# Altium PCB PCB1.PcbDoc (part 1 of 2)
Units mm, origin at the board's own origin, x right, y up, seen from the top; angles counter-clockwise.
Board outline 115 x 192.02 mm, 4 copper layers (Top Layer, Signal Top, Signal Bottom, Bottom Layer), stack 0.356 mm thick; 201 components, 226 nets, 802 pads, 2 vias.
Unrouted connection lines stored in the file: 532.
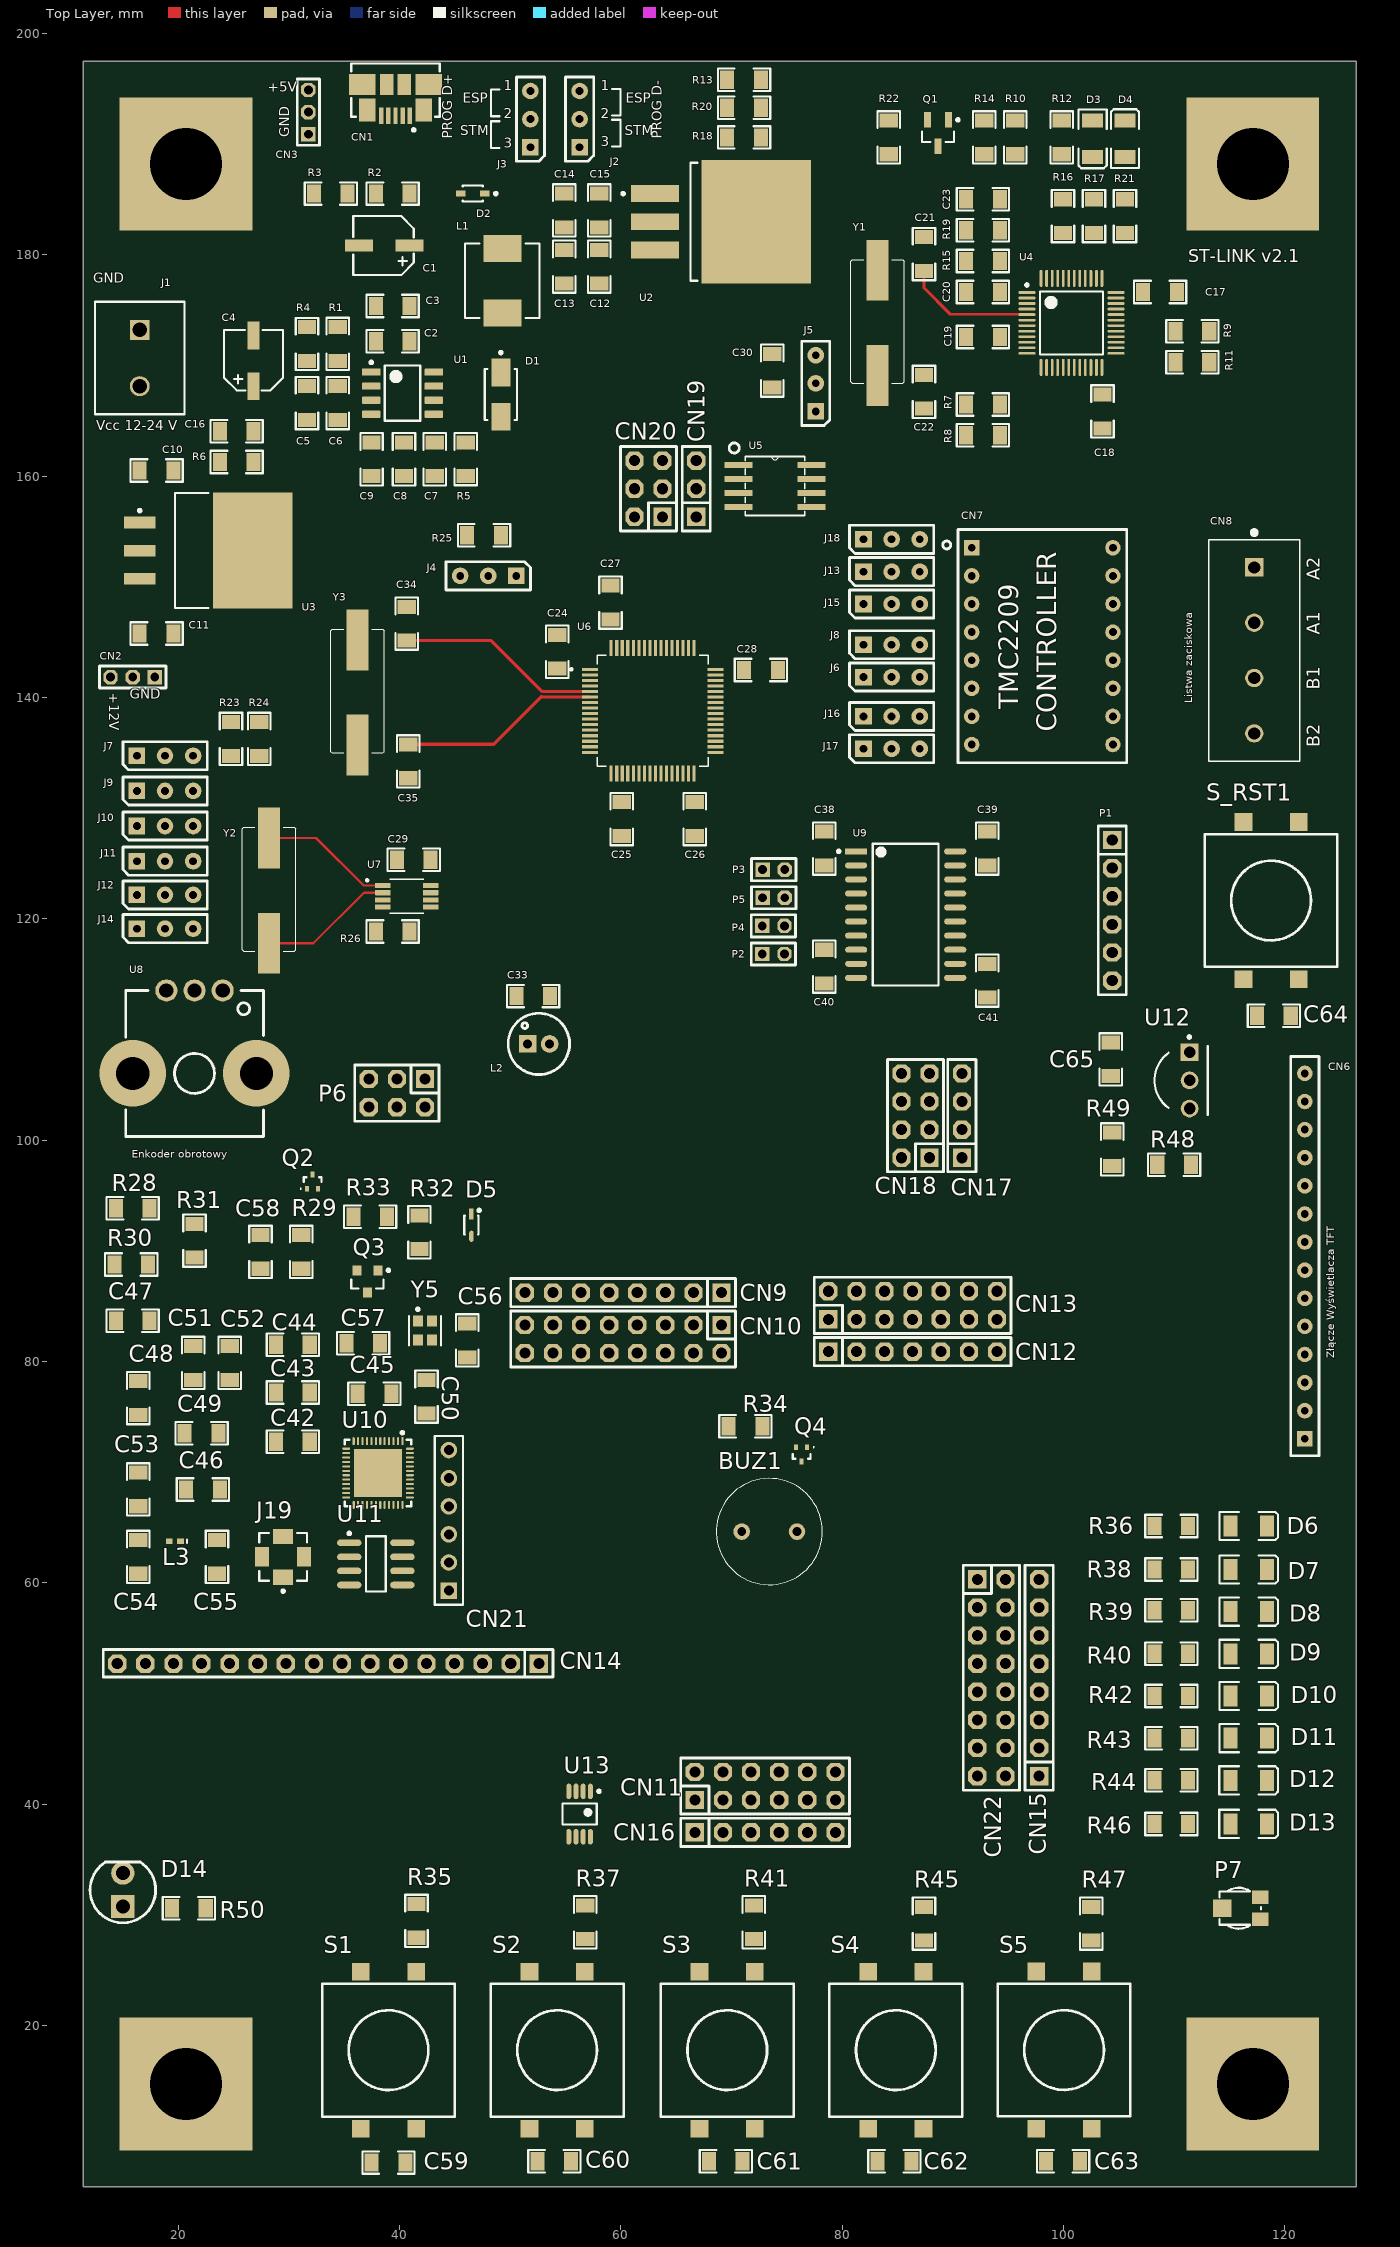
[diagram p0: Top Layer view]
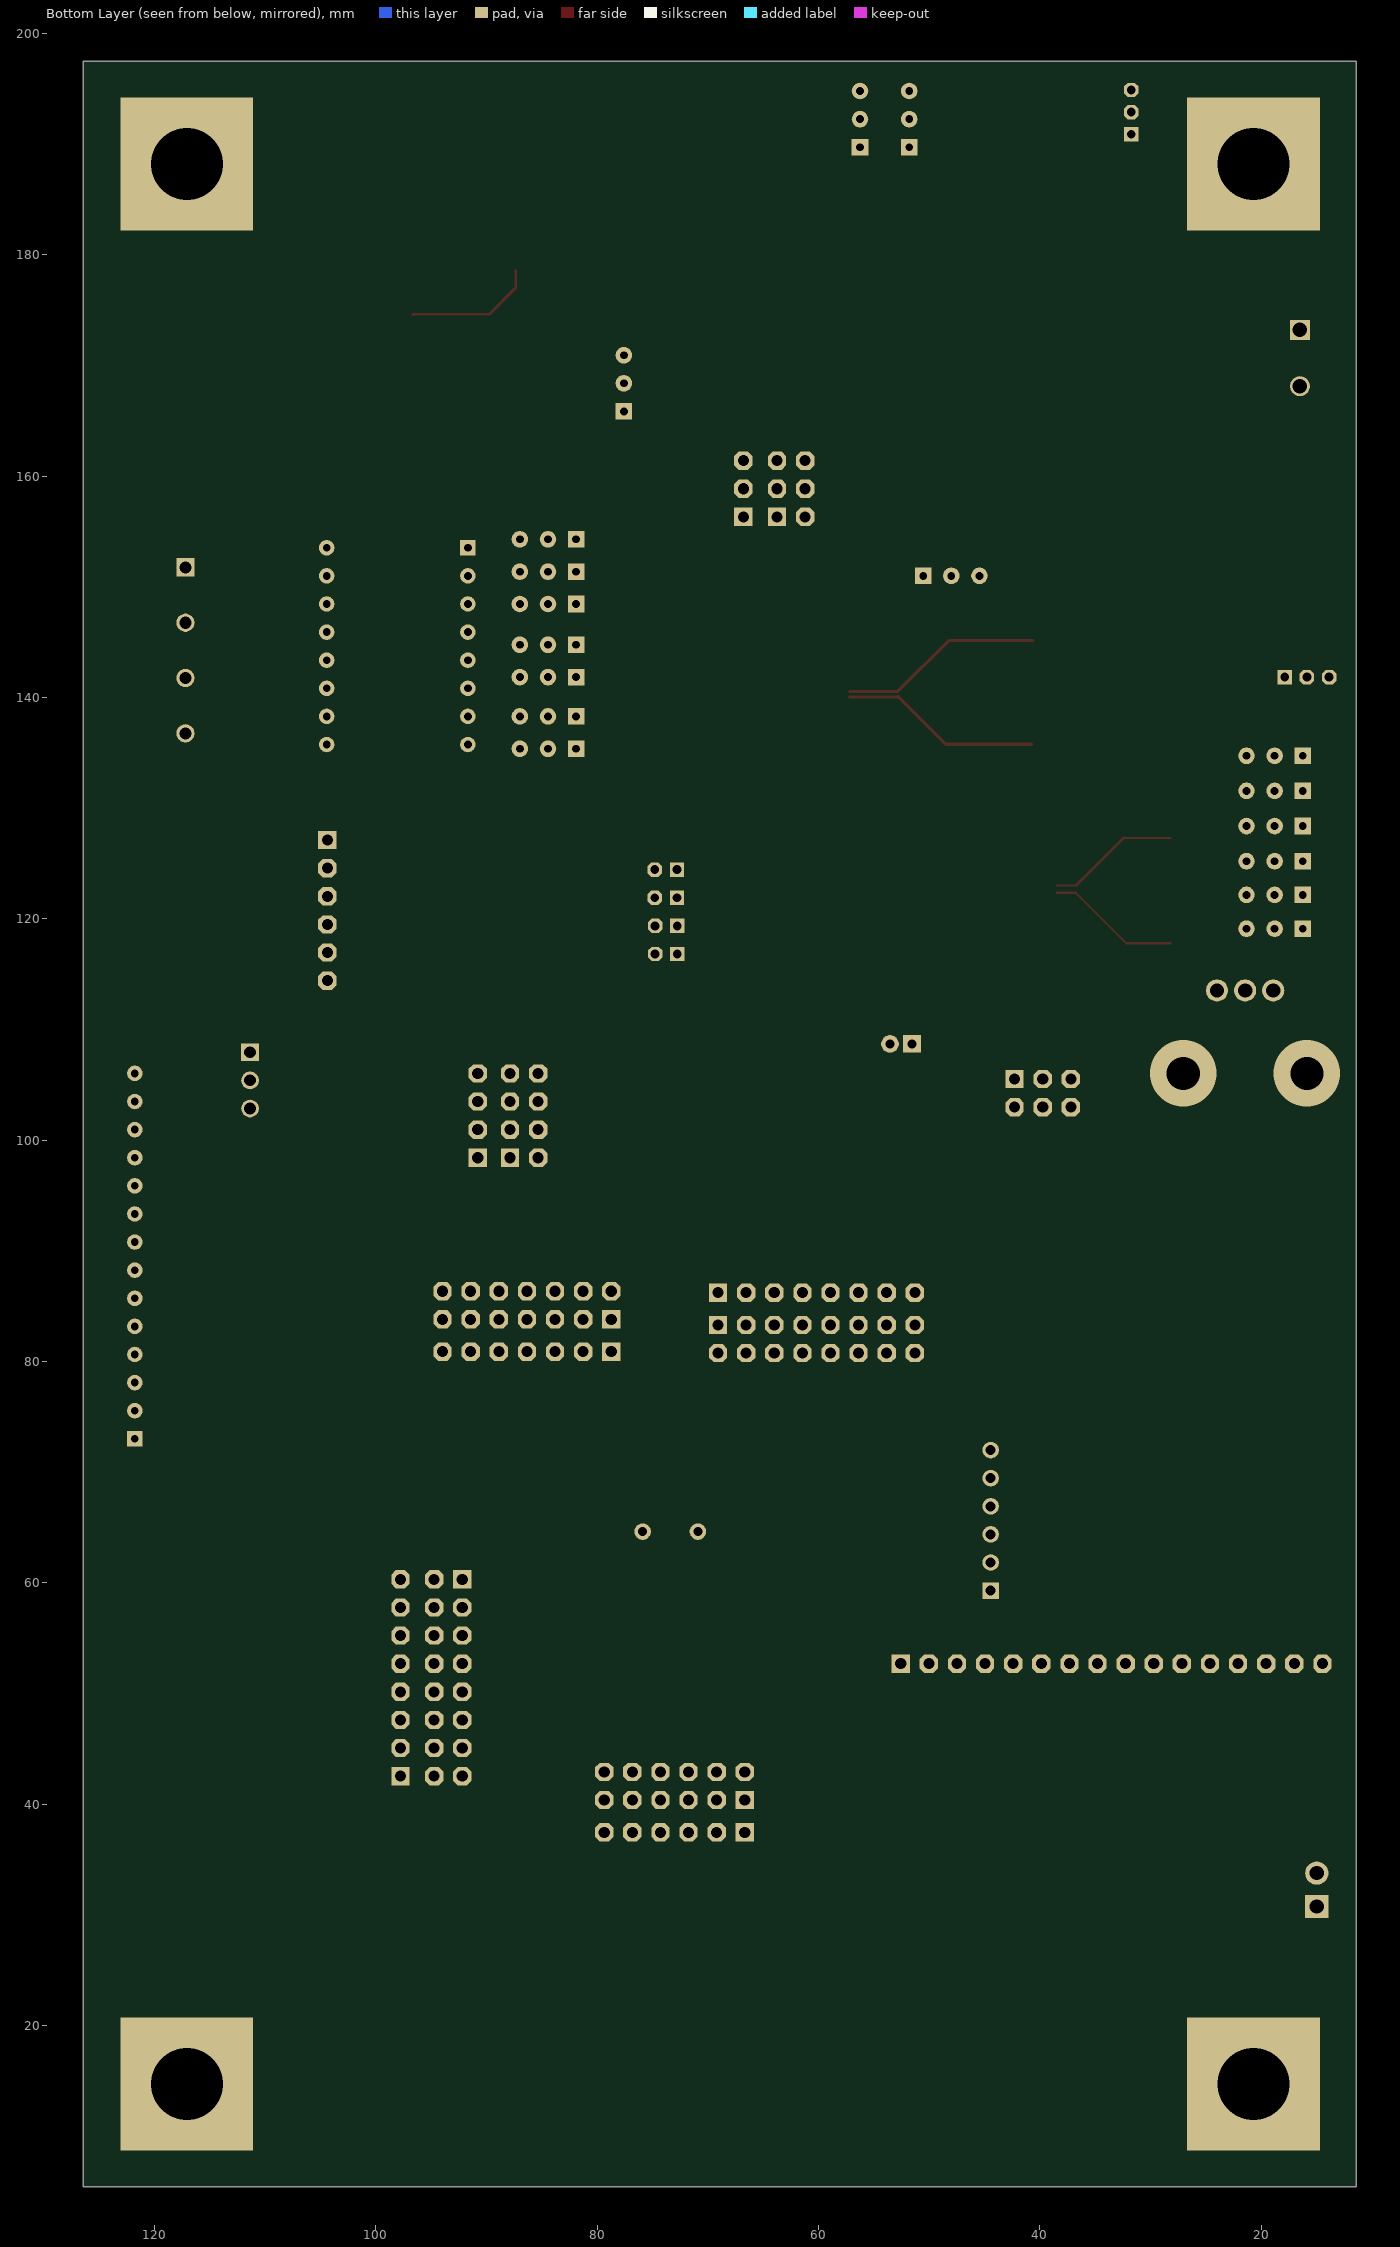
[diagram p1: Bottom Layer view, seen from below]

## Layer stack, top to bottom
Top Solder: solder mask 0.0102, Solder Resist, Dk 3.5
Top Layer: signal copper 0.0356
Dielectric 2: prepreg 0.0711, PP-006, Dk 4.1
Signal Top: signal copper 0.0356
Dielectric 1: dielectric 0.0711, FR-4, Dk 4.1
Signal Bottom: signal copper 0.0356
Dielectric 3: prepreg 0.0711, PP-006, Dk 4.1
Bottom Layer: signal copper 0.0356
Bottom Solder: solder mask 0.0102, Solder Resist, Dk 3.5

## Board outline
11.43,5.461 126.43,5.461 126.43,197.461 126.43,197.485 11.43,197.485

## Design rules (kind name [scope] priority, off if disabled: settings)
BoardOutlineClearance [All] p1: gap=0.254 ignorepadtopadclearanceinfootprint=FALSE except(0: Arc-SplitContinuation Track-SplitContinuation SMDPad-SplitContinuation THPad-SplitContinuation Via-SplitContinuation Fill-SplitContinuation Poly-SplitContinuation Region-SplitContinuation Text-SplitContinuation; 0.3: Track-OutlineEdge Poly-OutlineEdge; 3: SMDPad-OutlineEdge THPad-OutlineEdge Via-OutlineEdge Text-OutlineEdge)
Clearance [InNetClass('Supply3V3') AND InNetClass('Supply5V') AND InNetClass('Supply12V') AND InNetClass('SupplyEXT')] p1: gap=0.508 ignorepadtopadclearanceinfootprint=FALSE except(0.254: Arc-Text Track-Text SMDPad-Text THPad-Text Via-Text Fill-Text Poly-Text Region-Text Text-Text)
HoleSize [All] p1: absolutevalues=TRUE maxlimit=6.3 minlimit=0.2 maxpercent=80.000 minpercent=20.000
PlaneConnect PlaneConnect_Supply [InNetClass('Supply3V3') AND InNetClass('Supply5V') AND InNetClass('Supply12V') AND InNetClass('SupplyEXT')] p1: planeconnectstyle=Relief reliefexpansion=0.508 reliefentries=4 reliefconductorwidth=0.508 reliefairgap=0.508
PolygonConnect [InNetClass('Supply3V3') AND InNetClass('Supply5V') AND InNetClass('Supply12V') AND InNetClass('SupplyEXT')] p1: connectstyle=Relief reliefconductorwidth=0.254 reliefentries=4 polygonreliefangle="90 Angle" airgapwidth=0.254
RoutingLayers RoutingLayers_AGND [InNet('AGND')] p1: top layer_v5=TRUE mid layer 1_v5=FALSE mid layer 2_v5=FALSE bottom layer_v5=TRUE
RoutingLayers RoutingLayers_EXGND [InNet('EX_GND')] p2: top layer_v5=TRUE mid layer 1_v5=FALSE mid layer 2_v5=FALSE bottom layer_v5=TRUE
RoutingLayers RoutingLayers_GND [InNet('GND')] p3: top layer_v5=TRUE mid layer 1_v5=FALSE mid layer 2_v5=FALSE bottom layer_v5=TRUE
RoutingLayers RoutingLayers_Signals [All] p4: top layer_v5=TRUE mid layer 1_v5=TRUE mid layer 2_v5=TRUE bottom layer_v5=FALSE
RoutingLayers RoutingLayers_Supply3V3 [All] p5: top layer_v5=TRUE mid layer 1_v5=FALSE mid layer 2_v5=FALSE bottom layer_v5=FALSE
RoutingLayers RoutingLayers_Supply5V [All] p6: top layer_v5=TRUE mid layer 1_v5=FALSE mid layer 2_v5=FALSE bottom layer_v5=FALSE
RoutingLayers RoutingLayers_Supply12V [All] p7: top layer_v5=TRUE mid layer 1_v5=FALSE mid layer 2_v5=FALSE bottom layer_v5=FALSE
RoutingLayers RoutingLayers_SupplyEXT [InNetClass('SupplyEXT')] p8: top layer_v5=TRUE mid layer 1_v5=FALSE mid layer 2_v5=FALSE bottom layer_v5=FALSE
RoutingPriority RoutingPriority_SupplyEXT [InNetClass('SupplyEXT')] p1: routingpriority=5
RoutingPriority RoutingPriority_12V [InNetClass('Supply12V')] p2: routingpriority=4
RoutingPriority RoutingPriority_Supply5V [InNetClass('Supply5V')] p3: routingpriority=3
RoutingPriority RoutingPriority_Supply3V3 [InNetClass('Supply3V3')] p4: routingpriority=2
RoutingPriority RoutingPriority_Signals [All] p5: routingpriority=1
RoutingVias RoutingVias_Supply [InNetClass('Supply3V3') AND InNetClass('Supply5V') AND InNetClass('Supply12V') AND InNetClass('SupplyEXT')] p1: holewidth=1.2 width=2.5 viastyle="Through Hole" minholewidth=1.1 minwidth=2.1 maxholewidth=2.3 maxwidth=5.6
RoutingVias RoutingVias_All [All] p2: holewidth=0.6 width=1.2 viastyle="Through Hole" minholewidth=0.2 minwidth=0.4 maxholewidth=6.3 maxwidth=12.5
SMDNeckDown [All] p1: percent=50.000
SolderMaskExpansion [All] p1: expansion=0.102 istentingtop=FALSE
Width Width_Signals [All] p1: maxlimit=0.254 minlimit=0.254 preferedwidth=0.254
Width Width_EXT_outside [InNetClass('SupplyEXT')] p2: maxlimit=2.8 minlimit=2.1 preferedwidth=2.5
Width Width_12V_outside [(InNetClass('Supply12V') AND OnLayer('Bottom Layer') AND OnLayer('Top Layer'))] p3: maxlimit=2.8 minlimit=2.1 preferedwidth=2.5
Width Width_5V_outside [(InNetClass('Supply5V') AND OnLayer('Bottom Layer') AND OnLayer('Top Layer'))] p4: maxlimit=2.8 minlimit=2.1 preferedwidth=2.5
Width Width_3V3_outside [(InNetClass('Supply3V3') AND OnLayer('Bottom Layer') AND OnLayer('Top Layer'))] p5: maxlimit=2.8 minlimit=2.1 preferedwidth=2.5
26 further rules are at their usual default settings.

## Classes and differential pairs
component class "Układ zasilania": C1 C2 C3 C4 C5 C6 C7 C8 C9 C10 C11 C12 C13 C14 C15 C16 CN1 CN2 CN3 D1 D2 J1 J2 J3 L1 R1 R2 R3 R4 R5 R6 U1 U2 U3
component class "Układ programatora ST Link": C17 C18 C19 C20 C21 C22 C23 D3 D4 Q1 R7 R8 R9 R10 R11 R12 R13 R14 R15 R16 R17 R18 R19 R20 R21 R22 U4 Y1
component class "Układ komunikacji WiFi": C42 C43 C44 C45 C46 C47 C48 C49 C50 C51 C52 C53 C54 C55 C56 C57 C58 D5 J19 L3 P6 Q2 Q3 R28 R29 R30 R31 R32 R33 U10 U11 Y5
component class "Peryferia użytkownika": BUZ1 C59 C60 C61 C62 C63 C64 C65 CN9 CN10 CN11 CN12 CN13 CN14 CN15 CN16 CN17 CN18 CN19 CN20 CN21 CN22 D6 D7 D8 D9 D10 D11 D12 D13 D14 LED6 LED7 P7 Q4 R34 R35 R36 R37 R38 R39 R40 R41 R42 R43 R44 R45 R46 R47 R48 R49 R50 S1 S2 S3 S4 S5 S_RST1 U12 U13
component class "Moduł komunikacji RS485": C38 C39 C40 C41 P1 P2 P3 P4 P5 U9
component class "Mikrokontroler i podzespoły": C24 C25 C26 C27 C28 C29 C30 C33 C34 C35 CN6 CN7 CN8 J4 J5 J6 J7 J8 J9 J10 J11 J12 J13 J14 J15 J16 J17 J18 L2 R23 R24 R25 R26 U5 U6 U7 U8 Y2 Y3

## Components (designator, comment, footprint, x,y, rotation, side; value= is the part's Value field where it differs from the comment)
BUZ1 "BMT1206UX" "Buzzer - LD-BZEG-1305" 73.406,64.643 r0 top
C1 "" CES_C_5.3x5.3_5.4 38.608,180.848 r270 top value=47uF
C2 "" C1206 39.37,172.212 r0 top value=0.1uF
C3 "" C1206 39.37,175.387 r0 top value=47uF
C4 "" CES_C_5.3x5.3_5.4 26.797,170.434 r180 top value=4.7uF
C5 "" C1206 31.623,166.624 r90 top value=4.7uF
C6 "" C1206 34.417,166.624 r90 top value=100nF
C7 "" C1206 43.18,161.544 r90 top value=1nF
C8 "" C1206 40.386,161.544 r90 top value=47pF
C9 "" C1206 37.465,161.544 r90 top value=100nF
C10 "" C1206 18.034,160.528 r180 top value=0.22uF
C11 "" C1206 18.034,145.796 r180 top value=100nf
C12 "10uF" C1206 58.039,178.943 r90 top value=0.1uF
C13 "100n" C1206 54.864,178.943 r90 top value=0.1uF
C14 "1uF" C1206 54.864,184.023 r90 top value=0.1uF
C15 "100n" C1206 58.039,184.023 r90 top value=0.1uF
C16 "" C1206 25.273,164.084 r0 top value=100nF
C17 "100nF" C1206 108.712,176.657 r180 top
C18 "100nF" C1206 103.505,165.862 r90 top
C19 "100nF" C1206 92.71,172.593 r0 top
C20 "100nF" C1206 92.71,176.657 r0 top
C21 "20pF" C1206 87.376,180.086 r270 top
C22 "20pF" C1206 87.376,167.64 r90 top
C23 "100nF" C1206 92.71,185.039 r180 top
C24 "100nF" C1206 54.229,144.145 r270 top
C25 "100nF" C1206 60.071,129.032 r90 top
C26 "100nF" C1206 66.675,129.032 r90 top
C27 "100nF" C1206 59.055,148.59 r270 top
C28 "100nF" C1206 72.644,142.494 r180 top
C29 "100nF" C1206 41.275,125.349 r0 top
C30 "100nF" C1206 73.66,169.545 r270 top
C33 "100nF" C1206 52.07,113.03 r0 top
C34 "22pF" C1206 40.64,146.685 r270 top
C35 "22pF" C1206 40.767,134.239 r90 top
C38 "100nF" C1206 78.359,126.365 r270 top
C39 "100nF" C1206 93.091,126.365 r270 top
C40 "100nF" C1206 78.359,115.697 r90 top
C41 "10uF" C1206 93.091,114.427 r90 top value=100nF
C42 "1uF" C1206 30.353,72.771 r0 top value=100nF
C43 "100nF" C1206 30.353,77.216 r0 top
C44 "100nF" C1206 30.353,81.534 r0 top
C45 "270pF" C1206 37.719,77.089 r0 top value=100nF
C46 "100nF" C1206 22.225,68.453 r180 top
C47 "10uF" C1206 15.875,83.693 r180 top value=100nF
C48 "10uF" C1206 16.383,76.708 r270 top value=100nF
C49 "100nF" C1206 22.098,73.533 r180 top
C50 "270pF" C1206 42.418,76.835 r90 top value=100nF
C51 "100nF" C1206 21.336,79.883 r270 top
C52 "100nF" C1206 24.638,79.883 r270 top
C53 "100nF" C1206 16.383,68.453 r90 top
C54 "3.9pF" C1206 16.383,62.357 r90 top value=100nF
C55 "2.4pF" C1206 23.495,62.357 r270 top value=100nF
C56 "22pF" C1206 46.101,81.915 r90 top value=100nF
C57 "22pF" C1206 36.703,81.661 r0 top value=100nF
C58 "100nF" C1206 27.432,89.916 r270 top
C59 "100nF" C1206 38.989,7.62 r180 top
C60 "100nF" C1206 53.975,7.747 r180 top
C61 "100nF" C1206 69.469,7.747 r180 top
C62 "100nF" C1206 84.709,7.747 r180 top
C63 "100nF" C1206 99.949,7.747 r180 top
C64 "100nF" C1206 118.999,111.252 r180 top
C65 "10uF" C1206 104.267,107.315 r270 top
CN1 "473460001" 473460001 39.624,195.199 r90 top
CN2 "CN_3x1" GP_3x1_2mm 17.875,141.859 r180 top
CN3 "CN_3x1" GP_3x1_2mm 31.75,190.913 r90 top
CN6 "Złącze Wyświetlacza TFT" Display_TFT_Socket_1x14_Raster_2_54mm 121.793,89.535 r180 top
CN7 "Złącze na sterownik silników krokowych" Step_motor_Socket_TMC2209 98.074,135.763 r0 top
CN8 "Listwa zaciskowa" TE_282836-4 117.221,144.272 r270 top
CN9 "CN_8x1" GP_8x1 69.088,86.233 r180 top
CN10 "CN_8x2" GP_8x2 69.088,83.312 r180 top
CN11 "CN_6x2" GP_6x2 66.675,40.386 r0 top
CN12 "CN_7x1" GP_7x1 78.74,80.899 r0 top
CN13 "CN_7x2" GP_7x2 78.74,83.82 r0 top
CN14 "CN_16x1" GP_16x1 52.578,52.705 r180 top
CN15 "CN_8x1" GP_8x1 97.79,42.545 r90 top
CN16 "CN_6x1" GP_6x1 66.675,37.465 r0 top
CN17 "CN_4x1" GP_4x1 90.805,98.425 r90 top
CN18 "CN_4x2" GP_4x2 87.884,98.425 r90 top
CN19 "CN_3x1" GP_3x1 66.802,156.337 r90 top
CN20 "CN_3x2" GP_3x2 63.754,156.337 r90 top
CN21 "CN_6x1" HDR1X6 44.45,59.309 r90 top
CN22 "CN_8x2" GP_8x2 92.202,60.325 r270 top
D1 "B340A-13-F" FP-SMA-MFG 49.149,167.386 r270 top
D2 "BAT60JFILM" FP-BAT60JFILM-MFG 46.609,185.547 r180 top
D3 "GREEN" LED1206G 102.616,190.5 r270 top
D4 "RED" LED1206R 105.537,190.5 r90 top
D5 "TME@1N4148WS" FP-477AB-IPC_C 46.482,92.329 r270 top
D6 "GREEN" LED1206G 116.714,65.151 r0 top
D7 "GREEN" LED1206G 116.714,61.214 r0 top
D8 "GREEN" LED1206G 116.714,57.404 r0 top
D9 "GREEN" LED1206G 116.714,53.594 r0 top
D10 "GREEN" LED1206G 116.714,49.784 r0 top
D11 "GREEN" LED1206G 116.714,45.974 r0 top
D12 "GREEN" LED1206G 116.712,42.164 r0 top
D13 "GREEN" LED1206G 116.712,38.227 r0 top
D14 "IRD" LED-Polarized 14.986,33.274 r90 top
J1 "1729128" PHOE-1729128-2_V 16.51,170.688 r270 top
J2 "CN4" Jumper_1x3_Raster_2_54mm 56.261,191.008 r90 top
J3 "CN5" Jumper_1x3_Raster_2_54mm 51.816,191.008 r90 top
J4 "Zworka" Jumper_1x3_Raster_2_54mm 49.276,151.003 r180 top
J5 "Zworka" Jumper_1x3_Raster_2_54mm 77.597,167.132 r90 top
J6 "Zworka" Jumper_1x3_Raster_2_54mm 83.185,141.859 r0 top
J7 "Zworka" Jumper_1x3_Raster_2_54mm 17.526,134.747 r0 top
J8 "Zworka" Jumper_1x3_Raster_2_54mm 83.185,144.78 r0 top
J9 "Zworka" Jumper_1x3_Raster_2_54mm 17.526,131.572 r0 top
J10 "Zworka" Jumper_1x3_Raster_2_54mm 17.526,128.397 r0 top
J11 "Zworka" Jumper_1x3_Raster_2_54mm 17.526,125.222 r0 top
J12 "Zworka" Jumper_1x3_Raster_2_54mm 17.526,122.174 r0 top
J13 "Zworka" Jumper_1x3_Raster_2_54mm 83.185,151.384 r0 top
J14 "Zworka" Jumper_1x3_Raster_2_54mm 17.526,119.126 r0 top
J15 "Zworka" Jumper_1x3_Raster_2_54mm 83.185,148.463 r0 top
J16 "Zworka" Jumper_1x3_Raster_2_54mm 83.185,138.303 r0 top
J17 "Zworka" Jumper_1x3_Raster_2_54mm 83.185,135.382 r0 top
J18 "Zworka" Jumper_1x3_Raster_2_54mm 83.185,154.305 r0 top
J19 "TME@908-22101T" AMPH-908-22101_V 29.464,62.357 r0 top
L1 "6.8uH" FP-IHLP-2525CZ-FP_2_413x3-MFG 49.276,177.673 r90 top
L2 "Coil" Coil_Raster_2mm 52.578,108.712 r0 top value=100u
L3 "TME@0402AS-2N7K-08" 0402-A 19.693,63.754 r180 top value=2.7nH
P1 "Zlacze RS" GP_6x1 104.394,127.127 r270 top
P2 "Zwora RS485_TX" GP_2x1_2mm 72.771,116.84 r0 top
P3 "Zwora RS485_RX" GP_2x1_2mm 72.803,124.46 r0 top
P4 "Zwora RS485_DX" GP_2x1_2mm 72.771,119.38 r0 top
P5 "Header 2" GP_2x1_2mm 72.803,121.92 r0 top
P6 "CN_3x2" GP_3x2 42.291,105.537 r180 top
P7 "20k" 3305SMD 115.824,30.607 r90 top
Q1 "30C02CH-TL-E" ONSC-CPH-3_V 88.646,191.008 r270 top
Q2 "TME@2SA1774G" ONSC-SC-75-3-463-01_V 32.131,96.266 r90 top
Q3 "TME@BC847ALT1G" ONSC-SOT-23-3-318-08_V 37.084,87.249 r270 top
Q4 "MMBT3904TT1G" ONSC-SC-75-3-463-01_V 76.327,71.628 r270 top
R1 "" R1206 34.417,171.958 r270 top value=332k
R2 "" R1206 39.37,185.547 r0 top value=10k2
R3 "" R1206 33.782,185.547 r0 top value=1k87
R4 "" R1206 31.623,171.958 r90 top value=68k1
R5 "" R1206 45.974,161.544 r270 top value=29k4
R6 "" R1206 25.273,161.29 r0 top value=0k
R7 "4k7" R1206 92.71,166.497 r0 top
R8 "4k7" R1206 92.71,163.703 r180 top
R9 "100" R1206 111.633,173.101 r0 top
R10 "10k" R1206 95.631,190.627 r270 top
R11 "100" R1206 111.633,170.307 r180 top
R12 "100" R1206 99.822,190.627 r270 top
R13 "1k5" R1206 71.12,195.834 r180 top
R14 "36k" R1206 92.837,190.627 r270 top
R15 "10k" R1206 92.71,179.451 r180 top
R16 "100k" R1206 99.949,183.515 r270 top
R17 "1k" R1206 102.743,183.515 r270 top
R18 "0" R1206 71.12,190.627 r180 top
R19 "100k" R1206 92.71,182.245 r180 top
R20 "0" R1206 71.12,193.294 r180 top
R21 "1k" R1206 105.537,183.515 r270 top
R22 "100k" R1206 84.201,190.627 r90 top
R23 "4K7" R1206 24.765,136.271 r270 top
R24 "4K7" R1206 27.305,136.271 r270 top
R25 "10K" R1206 47.625,154.686 r0 top
R26 "4K7" R1206 39.37,118.872 r180 top
R28 "10K" R1206 15.875,93.853 r0 top
R29 "4K7" R1206 31.115,89.916 r270 top
R30 "10K" R1206 15.748,88.773 r0 top
R31 "10K" R1206 21.463,90.932 r90 top
R32 "4K7" R1206 41.783,91.694 r90 top
R33 "4K7" R1206 37.338,93.091 r180 top
R34 "330" R1206 71.247,74.168 r0 top
R35 "10k" R1206 41.529,29.464 r270 top
R36 "2k" R1206 109.728,65.151 r0 top
R37 "10k" R1206 56.769,29.337 r270 top
R38 "2k" R1206 109.728,61.214 r0 top
R39 "2k" R1206 109.728,57.531 r0 top
R40 "2k" R1206 109.728,53.594 r0 top
R41 "10k" R1206 72.009,29.337 r270 top
R42 "2k" R1206 109.728,49.784 r0 top
R43 "2k" R1206 109.728,45.974 r0 top
R44 "2k" R1206 109.728,42.164 r0 top
R45 "10k" R1206 87.376,29.21 r270 top
R46 "2k" R1206 109.728,38.227 r0 top
R47 "10k" R1206 102.489,29.21 r270 top
R48 "10K" R1206 109.982,97.79 r0 top
R49 "180" R1206 104.394,99.187 r270 top
R50 "2k" R1206 20.955,30.607 r180 top
S1 "DTSM-25N" DTSM-25N 38.989,17.78 r90 top
S2 "DTSM-25N" DTSM-25N 54.229,17.78 r90 top
S3 "DTSM-25N" DTSM-25N 69.596,17.78 r90 top
S4 "DTSM-25N" DTSM-25N 84.836,17.78 r90 top
S5 "DTSM-25N" DTSM-25N 100.036,17.792 r90 top
S_RST1 "DTSM-25N" DTSM-25N 118.745,121.666 r90 top
U1 "TPS54331D" D0008A_M 40.259,167.513 r0 top
U2 "MIC29300-3.3WU-TR" FP-TO263-3LD-PL-1-MFG 70.866,183.007 r270 top
U3 "LM340S-12/NOPB" KTT0003B_N 22.71,153.289 r0 top
U4 "STM32F103CBT6" STM-LQFP48_L 100.711,173.863 r0 top
U5 "Moduł Pamięci EEPROM" SOIC127P794X203-8N 73.914,159.131 r0 top
U6 "Mikrokontroler ARM" QFP50P1200X1200X160-64N 62.865,138.811 r0 top
U7 "Układ RTC" SOP65P490X110-8N 40.64,122.047 r0 top
U8 "Enkoder obrotowy" Encoder_EC12E1220405 21.463,106.045 r180 top
U9 "ADM2587EBRWZ-REEL7" FP-RW-20-IPC_C 85.725,120.396 r0 top
U10 "ESP32-D0WDQ6" FP-ESP32-D0WDQ6-IPC_C 38.046,69.933 r270 top
U11 "M25P40-VMN6P" MICT-MN-8_N 37.846,61.722 r0 top
U12 "TSOP34848" Vishay_TSOP34838_0 111.379,105.41 r0 top
U13 "DS18B20U+" MAXM-U8+1_L 56.261,39.116 r270 top
Y1 "8MHz" HC49/4H 83.185,173.99 r90 top
Y2 "32.768kHz" HC49/4H 28.194,122.682 r90 top
Y3 "48MHz" HC49/4H 36.195,140.589 r90 top
Y5 "625L3C040M00000" FP-625-MFG 42.291,82.804 r270 top

## Footprints (in the part's own frame and the unit in brackets; to place one, negate y for a bottom-side part, rotate by r counter-clockwise, add the part's x,y. Pads: shape width x height; smd on the part's side, far side on the other; paste and mask are expansions set on the pad)
0402-A [mm] "Chip Inductor, Body 1.0x0.5mm, IPC High Density"
  rect 0.6x0.5 smd: 1(-0.5,0) 2(0.5,0)
  silkscreen extent -1.1,-0.15 -1.1,0.15, body extent -0.55,-0.3 0.55,0.3, height 0.55
3305SMD [mm] "SRPassives 3305 SMT trimming potentiometer"
  rect 1.2x1.5 smd: 1(-1,-1.95) 2(1,-1.95)
  rect 1.6x1.7 smd: 3(0,1.5)
  silkscreen extent -1.85,-2 1.85,1.75, body extent -1.85,-2 1.85,1.85, height 1.2
473460001 [mm] "Molex 473460001 microUSB Connector"
  rect 1.5x0.4 smd: 1(-2.6,-1.3) 2(-2.6,-0.65) 3(-2.6,0) 4(-2.6,0.65) 5(-2.6,1.3)
  rect 2.1x1.5 smd: S(-2.1,-2.55) S(-2.1,2.55)
  rect 1.9x2.4 smd: S(0.2,3) S(0.2,-3)
  rect 1.9x1.2 smd: S(0.2,0.8) S(0.2,-0.8)
  silkscreen extent -4.02,-4 2.1,4, body extent -2.65,-3.99 2.78,3.99, height 2.72
AMPH-908-22101_V [mil] "Connector, 4-Leads, Body 4.318x4.318mm"
  rect 70x55 smd paste-39.37: 1(0,-72.5) 3(0,72.5)
  rect 50x70 smd paste-39.37: 2(75,0) 4(-75,0)
  silkscreen extent -85,-127 85,85, body extent -85,-85 85,85, height 143
"Buzzer - LD-BZEG-1305" [mm] "https://www.tme.eu/pl/details/bmt-0912xh05/sygnalizatory-elektromag-z-generatorem/bestar/bmt0912xh05/"
  round 1.5 hole 0.8 paste+0 mask+0.03: 1(-2.5,0) 2(2.5,0)
  silkscreen extent -4.8,-4.8 4.8,4.8, body extent -4.8,-4.8 4.8,4.8, height 5
C1206 [mil]
  rect 50x65 smd: 1(-60,0) 2(60,0)
  silkscreen extent -93,-40 93,40, body extent -63,-31 63,32, height 39
CES_C_5.3x5.3_5.4 [mm] "SMT Aluminum Electrolytic Capacitor, C Size; base: 5.3x5.3mm, height: 5.4mm"
  rect 1.1x2.5 smd: 1(0,2.286) 2(0,-2.286)
  silkscreen extent -2.67,-2.79 2.67,2.67, body extent -2.65,-2.95 2.65,2.95, height 5.41
Coil_Raster_2mm [mm]
  rect 1.6x1.6 hole 0.8: 1(-1.016,0)
  round 1.6 hole 0.8: 2(0.974,-0.005)
  silkscreen extent -2.77,-2.77 2.77,2.77, body extent -2.79,-2.75 2.75,2.75, height 7.5
D0008A_M [mm] "SOIC, 8-Leads, Body 5x4mm, Pitch 1.27mm, IPC Low Density"
  rrect15% 1.65x0.65 smd: 1(-2.825,1.905) 2(-2.825,0.635) 3(-2.825,-0.635) 4(-2.825,-1.905) 5(2.825,-1.905) 6(2.825,-0.635) 7(2.825,0.635) 8(2.825,1.905)
  silkscreen extent -2.95,-2.5 1.6,2.9, body extent -3,-2.45 3,2.45, height 1.63
Display_TFT_Socket_1x14_Raster_2_54mm [mm]
  rect 1.4x1.4 hole 0.7: 1(0,16.51)
  round 1.4 hole 0.7: 2(0,13.97) 3(0,11.43) 4(0,8.89) 5(0,6.35) 6(0,3.81) 7(0,1.27) 8(0,-1.27) 9(0,-3.81) 10(0,-6.35) 11(0,-8.89) 12(0,-11.43) 13(0,-13.97) 14(0,-16.51)
  silkscreen extent -1.27,-18.03 1.27,18.03, body extent -1.27,-18.03 1.27,18.03, height 8.5
DTSM-25N [mm] "Diptronics SPST-NO, 50mA/12VDC Brown TACT Switch"
  rect 1.6x1.6 smd: 1(-7.1,-2.5) 1(7.1,-2.5) 2(-7.1,2.5) 2(7.1,2.5)
  silkscreen extent -6,-6 6,6, body extent -7.5,-6 7.5,6, height 8.5
Encoder_EC12E1220405 [mm] "Enkoder obrotowy"
  round 2 hole 1.3: 1(-2.54,-7.493) 2(2.54,-7.493) 3(0,-7.493)
  silkscreen extent -6.22,-7.49 6.22,5.72, body extent -7,-7.65 7,6.6, height 24.7
FP-477AB-IPC_C [mm]
  rect 1.006x0.392 smd paste+0 mask+0: 1(-1,0)
  rrect100% 1.006x0.392 smd paste+0 mask+0: 2(1,0)
  silkscreen extent -1.46,-0.65 0.85,0.82, body extent -1.6,-0.72 1.6,0.72, height 0.25
FP-625-MFG [mm]
  rect 1x0.9 smd paste+0 mask+0: 1(-0.85,-0.65) 2(0.85,-0.65) 3(0.85,0.65) 4(-0.85,0.65)
  silkscreen extent -2.05,-1.45 1.33,1.45, body extent -1.45,-1.2 1.45,1.2, height 0.25
FP-BAT60JFILM-MFG [mm]
  rect 0.86x0.54 smd paste+0 mask+0: 1(-1.07,0) 2(1.07,0)
  silkscreen extent -2.2,-0.72 0.9,0.72, body extent -1.6,-0.82 1.6,0.82, height 0.25
FP-ESP32-D0WDQ6-IPC_C [mm]
  rect 0.718x0.192 smd paste+0 mask+0: 1(-2.877,2.2)
  rrect100% 0.718x0.192 smd paste+0 mask+0: 2(-2.877,1.8) 3(-2.877,1.4) 4(-2.877,1) 5(-2.877,0.6) 6(-2.877,0.2) 7(-2.877,-0.2) 8(-2.877,-0.6) 9(-2.877,-1) 10(-2.877,-1.4) 11(-2.877,-1.8) 12(-2.877,-2.2) 25(2.877,-2.2) 26(2.877,-1.8) 27(2.877,-1.4) 28(2.877,-1) 29(2.877,-0.6) 30(2.877,-0.2) 31(2.877,0.2) 32(2.877,0.6) 33(2.877,1) 34(2.877,1.4) 35(2.877,1.8) 36(2.877,2.2)
  rrect100% 0.192x0.718 smd paste+0 mask+0: 13(-2.2,-2.877) 14(-1.8,-2.877) 15(-1.4,-2.877) 16(-1,-2.877) 17(-0.6,-2.877) 18(-0.2,-2.877) 19(0.2,-2.877) 20(0.6,-2.877) 21(1,-2.877) 22(1.4,-2.877) 23(1.8,-2.877) 24(2.2,-2.877) 37(2.2,2.877) 38(1.8,2.877) 39(1.4,2.877) 40(1,2.877) 41(0.6,2.877) 42(0.2,2.877) 43(-0.2,2.877) 44(-0.6,2.877) 45(-1,2.877) 46(-1.4,2.877) 47(-1.8,2.877) 48(-2.2,2.877)
  rect 4.35x4.35 smd paste-1000 mask+0: 49(0,0)
  silkscreen extent -3.76,-3 3,3, body extent -3.34,-3.34 3.34,3.34, height 0.25
FP-IHLP-2525CZ-FP_2_413x3-MFG [mil]
  rect 95x135 smd paste+0 mask+0: 1(-115,0) 2(115,0)
  silkscreen extent -132,-132 132,132, body extent -166,-136 166,136, height 10
FP-RW-20-IPC_C [mm]
  rect 1.998x0.542 smd paste+0 mask+0: 1(-4.478,5.715)
  rrect100% 1.998x0.542 smd paste+0 mask+0: 2(-4.478,4.445) 3(-4.478,3.175) 4(-4.478,1.905) 5(-4.478,0.635) 6(-4.478,-0.635) 7(-4.478,-1.905) 8(-4.478,-3.175) 9(-4.478,-4.445) 10(-4.478,-5.715) 11(4.478,-5.715) 12(4.478,-4.445) 13(4.478,-3.175) 14(4.478,-1.905) 15(4.478,-0.635) 16(4.478,0.635) 17(4.478,1.905) 18(4.478,3.175) 19(4.478,4.445) 20(4.478,5.715)
  silkscreen extent -6.18,-6.4 2.98,6.4, body extent -5.58,-6.5 5.58,6.5, height 0.25
FP-SMA-MFG [mm]
  rect 2.5x1.7 smd paste+0 mask+0: 1(-2,0) 2(2,0)
  silkscreen extent -3.92,-1.46 2.3,1.46, body extent -3.35,-1.56 3.35,1.56, height 0.25
FP-TO263-3LD-PL-1-MFG [mil]
  rect 60x170 smd paste+0 mask+0: 1(-100,-306.75) 2(0,-306.75) 3(100,-306.75)
  rect 440x390 smd paste+0 mask+0: 4(0,53.25)
  silkscreen extent -210,-425 210,-157, body extent -224,-396 224,252, height 10
GP_2x1_2mm [mm]
  rect 1.3x1.3 hole 0.8: 1(0,0)
  oct 1.3x1.3 hole 0.8: 2(2,0)
  silkscreen extent -1,-1 3,1, body extent -1,-0.99 3,0.99, height 5.51
GP_3x1 [mil]
  rect 65x65 hole 39.37: 1(0,0)
  oct 65x65 hole 39.37: 2(100,0) 3(200,0)
  silkscreen extent -50,-50 250,50, body extent -50,-50 250,50, height 330
GP_3x1_2mm [mm]
  rect 1.3x1.3 hole 0.8: 1(0,0)
  oct 1.3x1.3 hole 0.8: 2(2,0) 3(4,0)
  silkscreen extent -1,-1 5,1, body extent -1,-0.99 5,0.99, height 5.51
GP_3x2 [mil]
  rect 65x65 hole 39.37: 1(0,0)
  oct 65x65 hole 39.37: 2(0,100) 3(100,0) 4(100,100) 5(200,0) 6(200,100)
  silkscreen extent -50,-50 250,150, body extent -50,-50 250,150, height 330
GP_4x1 [mil]
  rect 65x65 hole 39.37: 1(0,0)
  oct 65x65 hole 39.37: 2(100,0) 3(200,0) 4(300,0)
  silkscreen extent -50,-50 350,50, body extent -50,-50 350,50, height 330
GP_4x2 [mil]
  rect 65x65 hole 39.37: 1(0,0)
  oct 65x65 hole 39.37: 2(0,100) 3(100,0) 4(100,100) 5(200,0) 6(200,100) 7(300,0) 8(300,100)
  silkscreen extent -50,-50 350,150, body extent -50,-50 350,150, height 330
GP_6x1 [mil]
  rect 65x65 hole 39.37: 1(0,0)
  oct 65x65 hole 39.37: 2(100,0) 3(200,0) 4(300,0) 5(400,0) 6(500,0)
  silkscreen extent -50,-50 550,50, body extent -50,-50 550,50, height 330
GP_6x2 [mil]
  rect 65x65 hole 39.37: 1(0,0)
  oct 65x65 hole 39.37: 2(0,100) 3(100,0) 4(100,100) 5(200,0) 6(200,100) 7(300,0) 8(300,100) 9(400,0) 10(400,100) 11(500,0) 12(500,100)
  silkscreen extent -50,-50 550,150, body extent -50,-50 550,150, height 330
GP_7x1 [mil]
  rect 65x65 hole 39.37: 1(0,0)
  oct 65x65 hole 39.37: 2(100,0) 3(200,0) 4(300,0) 5(400,0) 6(500,0) 7(600,0)
  silkscreen extent -50,-50 650,50, body extent -50,-50 650,50, height 330
GP_7x2 [mil]
  rect 65x65 hole 39.37: 1(0,0)
  oct 65x65 hole 39.37: 2(0,100) 3(100,0) 4(100,100) 5(200,0) 6(200,100) 7(300,0) 8(300,100) 9(400,0) 10(400,100) 11(500,0) 12(500,100) 13(600,0) 14(600,100)
  silkscreen extent -50,-50 650,150, body extent -50,-50 650,150, height 330
GP_8x1 [mil]
  rect 65x65 hole 39.37: 1(0,0)
  oct 65x65 hole 39.37: 2(100,0) 3(200,0) 4(300,0) 5(400,0) 6(500,0) 7(600,0) 8(700,0)
  silkscreen extent -50,-50 750,50, body extent -50,-50 750,50, height 330
GP_8x2 [mil]
  rect 65x65 hole 39.37: 1(0,0)
  oct 65x65 hole 39.37: 2(0,100) 3(100,0) 4(100,100) 5(200,0) 6(200,100) 7(300,0) 8(300,100) 9(400,0) 10(400,100) 11(500,0) 12(500,100) 13(600,0) 14(600,100) 15(700,0) 16(700,100)
  silkscreen extent -50,-50 750,150, body extent -50,-50 750,150, height 330
GP_16x1 [mil]
  rect 65x65 hole 39.37: 1(0,0)
  oct 65x65 hole 39.37: 2(100,0) 3(200,0) 4(300,0) 5(400,0) 6(500,0) 7(600,0) 8(700,0) 9(800,0) 10(900,0) 11(1000,0) 12(1100,0) 13(1200,0) 14(1300,0) 15(1400,0) 16(1500,0)
  silkscreen extent -50,-50 1550,47, body extent -50,-50 1550,50, height 330
HC49/4H [mm] "Crystal Oscillator"
  rect 5.5x2 smd: 1(-4.87,0) 2(4.63,0)
  silkscreen extent -5.59,-2.41 5.59,2.41, body extent -6.7,-2.45 6.7,2.45, height 5.08
HDR1X6 [mm] "Connector; Header; 6 Position"
  rect 1.5x1.5 hole 0.9: 1(0,0)
  round 1.5 hole 0.9: 2(2.54,0) 3(5.08,0) 4(7.62,0) 5(10.16,0) 6(12.7,0)
  silkscreen extent -1.27,-1.27 13.97,1.27
Jumper_1x3_Raster_2_54mm [mm]
  rect 1.5x1.5 hole 0.7: 1(-1.27,0)
  round 1.5 hole 0.7: 2(1.27,0) 3(3.81,0)
  silkscreen extent -2.54,-1.27 5.08,1.27, body extent -2.54,-1.27 5.08,1.27, height 9
KTT0003B_N [mm] "D2-PAK, 3-Leads, Body 10.41x8.89mm, Pitch 2.54mm, IPC Medium Density"
  rect 2.85x1.05 smd: 1(-6.2,2.54) 2(-6.2,0) 3(-6.2,-2.54)
  rect 7.2x10.5 smd: 4(4,0)
  silkscreen extent -6.32,-5.2 0,5.2, body extent -6.78,-5.2 7.57,5.2, height 4.64
LED1206G [mm]
  rect 1.27x1.9 smd: 1(-1.65,0) 2(1.65,0)
  silkscreen extent -2.64,-1.27 2.67,1.27, body extent -1.61,-0.8 1.61,0.8, height 1.1
LED1206R [mm]
  rect 1.27x1.9 smd: 1(-1.65,0) 2(1.65,0)
  silkscreen extent -2.64,-1.27 2.67,1.27, body extent -1.61,-0.8 1.61,0.8, height 1.1
LED-Polarized [mm]
  rect 2.1x2.1 hole 1.27: 1(-2.5,0)
  round 2.1 hole 1.27: 2(0.508,0)
  silkscreen extent -3.97,-2.96 1.5,2.96, body extent -4,-3 1.5,3, height 8.5
MAXM-U8+1_L [mm] "SOP, 8-Leads, Body 3x3mm, Pitch 0.65mm, IPC High Density"
  oval 1.4x0.45 smd: 1(-2.05,0.975) 2(-2.05,0.325) 3(-2.05,-0.325) 4(-2.05,-0.975) 5(2.05,-0.975) 6(2.05,-0.325) 7(2.05,0.325) 8(2.05,0.975)
  silkscreen extent -2.17,-1.55 0.95,1.88, body extent -1.55,-1.55 1.55,1.55, height 1.1
MICT-MN-8_N [mm] "SOIC, 8-Leads, Body 5x4mm, Pitch 1.27mm, IPC Medium Density"
  oval 2.2x0.6 smd: 1(-2.4,1.905) 2(-2.4,0.635) 3(-2.4,-0.635) 4(-2.4,-1.905) 5(2.4,-1.905) 6(2.4,-0.635) 7(2.4,0.635) 8(2.4,1.905)
  silkscreen extent -2.52,-2.5 0.9,2.88, body extent -2,-2.5 2,2.5, height 0.1
ONSC-CPH-3_V [mm] "SOT23, 3-Leads, Body 2.9x1.6mm, Pitch 0.95mm"
  rect 1.4x0.6 smd: 1(-1.2,0.95) 2(-1.2,-0.95) 3(1.2,0)
  silkscreen extent -1.32,-1.45 0.8,1.93, body extent -0.8,-1.45 0.8,1.45, height 1.05
ONSC-SC-75-3-463-01_V [mil] "SOT23, 3-Leads, Body 1.6x0.8mm, Pitch 0.5mm"
  rect 20x14.02 smd: 1(-25.49,19.68) 2(-25.49,-19.69) 3(25.49,0)
  silkscreen extent -27,-31 16,44, body extent -16,-31 16,31, height 35
ONSC-SOT-23-3-318-08_V [mm] "SOT23, 3-Leads, Body 2.92x1.3mm, Pitch 0.95mm"
  rect 0.9x0.8 smd: 1(-1,0.95) 2(-1,-0.95) 3(1,0)
  silkscreen extent -1.12,-1.46 0.65,2.03, body extent -0.65,-1.46 0.65,1.46, height 1.11
PHOE-1729128-2_V [mm] "Receptacle, 2-Leads, Body 8.1x10.16mm, Pitch 5.08mm"
  rect 1.8x1.8 hole 1.3: 1(-2.54,0)
  round 1.8 hole 1.3: 2(2.54,0)
  silkscreen extent -5.08,-4.05 5.08,4.05, body extent -5.65,-4.05 5.08,4.05, height 10.01
QFP50P1200X1200X160-64N [mm]
  rrect25% 1.47x0.28 smd: 1(-5.67,3.75) 2(-5.67,3.25) 3(-5.67,2.75) 4(-5.67,2.25) 5(-5.67,1.75) 6(-5.67,1.25) 7(-5.67,0.75) 8(-5.67,0.25) 9(-5.67,-0.25) 10(-5.67,-0.75) 11(-5.67,-1.25) 12(-5.67,-1.75) 13(-5.67,-2.25) 14(-5.67,-2.75) 15(-5.67,-3.25) 16(-5.67,-3.75) 33(5.67,-3.75) 34(5.67,-3.25) 35(5.67,-2.75) 36(5.67,-2.25) 37(5.67,-1.75) 38(5.67,-1.25) 39(5.67,-0.75) 40(5.67,-0.25) 41(5.67,0.25) 42(5.67,0.75) 43(5.67,1.25) 44(5.67,1.75) 45(5.67,2.25) 46(5.67,2.75) 47(5.67,3.25) 48(5.67,3.75)
  rrect25% 0.28x1.47 smd: 17(-3.75,-5.67) 18(-3.25,-5.67) 19(-2.75,-5.67) 20(-2.25,-5.67) 21(-1.75,-5.67) 22(-1.25,-5.67) 23(-0.75,-5.67) 24(-0.25,-5.67) 25(0.25,-5.67) 26(0.75,-5.67) 27(1.25,-5.67) 28(1.75,-5.67) 29(2.25,-5.67) 30(2.75,-5.67) 31(3.25,-5.67) 32(3.75,-5.67) 49(3.75,5.67) 50(3.25,5.67) 51(2.75,5.67) 52(2.25,5.67) 53(1.75,5.67) 54(1.25,5.67) 55(0.75,5.67) 56(0.25,5.67) 57(-0.25,5.67) 58(-0.75,5.67) 59(-1.25,5.67) 60(-1.75,5.67) 61(-2.25,5.67) 62(-2.75,5.67) 63(-3.25,5.67) 64(-3.75,5.67)
  silkscreen extent -7.44,-5 5,5, body extent -6,-6 6,6, height 1.6
R1206 [mil]
  rect 50x65 smd: 1(-60,0) 2(60,0)
  silkscreen extent -93,-40 93,40, body extent -63,-31 63,32, height 39
SOIC127P794X203-8N [mil]
  rect 98.43x22 smd: 1(-130,75) 2(-130,25) 3(-130,-25) 4(-130,-75) 5(130,-75) 6(130,-25) 7(130,25) 8(130,75)
  silkscreen extent -163,-105 106,153, body extent -118,-96 118,96, height 69
SOP65P490X110-8N [mm]
  rrect25% 1.42x0.47 smd: 1(-2.165,0.975) 2(-2.165,0.325) 3(-2.165,-0.325) 4(-2.165,-0.975) 5(2.165,-0.975) 6(2.165,-0.325) 7(2.165,0.325) 8(2.165,0.975)
  silkscreen extent -3.68,-1.55 1.55,1.55, body extent -2.45,-1.5 2.45,1.5, height 1.1
Step_motor_Socket_TMC2209 [mm]
  rect 1.4x1.4 hole 0.7: 1(-6.38,17.78)
  round 1.4 hole 0.7: 2(-6.38,15.24) 3(-6.38,12.7) 4(-6.38,10.16) 5(-6.38,7.62) 6(-6.38,5.08) 7(-6.38,2.54) 8(-6.38,0) 9(6.38,17.78) 10(6.38,15.24) 11(6.38,12.7) 12(6.38,10.16) 13(6.38,7.62) 14(6.38,5.08) 15(6.38,2.54) 16(6.38,0)
  silkscreen extent -8.99,-1.65 7.62,19.43, body extent -7.65,-1.65 7.65,19.3, height 8.5
STM-LQFP48_L [mm] "QFP, 48-Leads, Body 7x7mm, Pitch 0.5mm, IPC High Density"
  oval 1.55x0.25 smd: 1(-4.025,2.75) 2(-4.025,2.25) 3(-4.025,1.75) 4(-4.025,1.25) 5(-4.025,0.75) 6(-4.025,0.25) 7(-4.025,-0.25) 8(-4.025,-0.75) 9(-4.025,-1.25) 10(-4.025,-1.75) 11(-4.025,-2.25) 12(-4.025,-2.75) 25(4.025,-2.75) 26(4.025,-2.25) 27(4.025,-1.75) 28(4.025,-1.25) 29(4.025,-0.75) 30(4.025,-0.25) 31(4.025,0.25) 32(4.025,0.75) 33(4.025,1.25) 34(4.025,1.75) 35(4.025,2.25) 36(4.025,2.75)
  oval 0.25x1.55 smd: 13(-2.75,-4.025) 14(-2.25,-4.025) 15(-1.75,-4.025) 16(-1.25,-4.025) 17(-0.75,-4.025) 18(-0.25,-4.025) 19(0.25,-4.025) 20(0.75,-4.025) 21(1.25,-4.025) 22(1.75,-4.025) 23(2.25,-4.025) 24(2.75,-4.025) 37(2.75,4.025) 38(2.25,4.025) 39(1.75,4.025) 40(1.25,4.025) 41(0.75,4.025) 42(0.25,4.025) 43(-0.25,4.025) 44(-0.75,4.025) 45(-1.25,4.025) 46(-1.75,4.025) 47(-2.25,4.025) 48(-2.75,4.025)
  silkscreen extent -4.15,-2.85 2.85,3.55, body extent -3.5,-3.5 3.5,3.5, height 1.6
TE_282836-4 [mm]
  rect 1.65x1.65 hole 1.1: 1(-7.5,0)
  round 1.65 hole 1.1: 2(-2.5,0) 3(2.5,0) 4(7.5,0)
  silkscreen extent -10.84,-4.1 10,4.1, body extent -10.43,-4.01 10.17,4.19, height 10
Vishay_TSOP34838_0 [mm]
  rect 1.6x1.6 hole 1.05 paste-1000 mask+0: 1(0,2.54)
  round 1.6 hole 1.05 paste-1000 mask+0: 2(0,0) 3(0,-2.54)
  silkscreen extent -3.16,-3.1 1.65,4.05, body extent -4.25,-3.44 1.75,3.44, height 0.25